# Altium PCB Hrafn.PcbDoc (part 3 of 5) (continued)
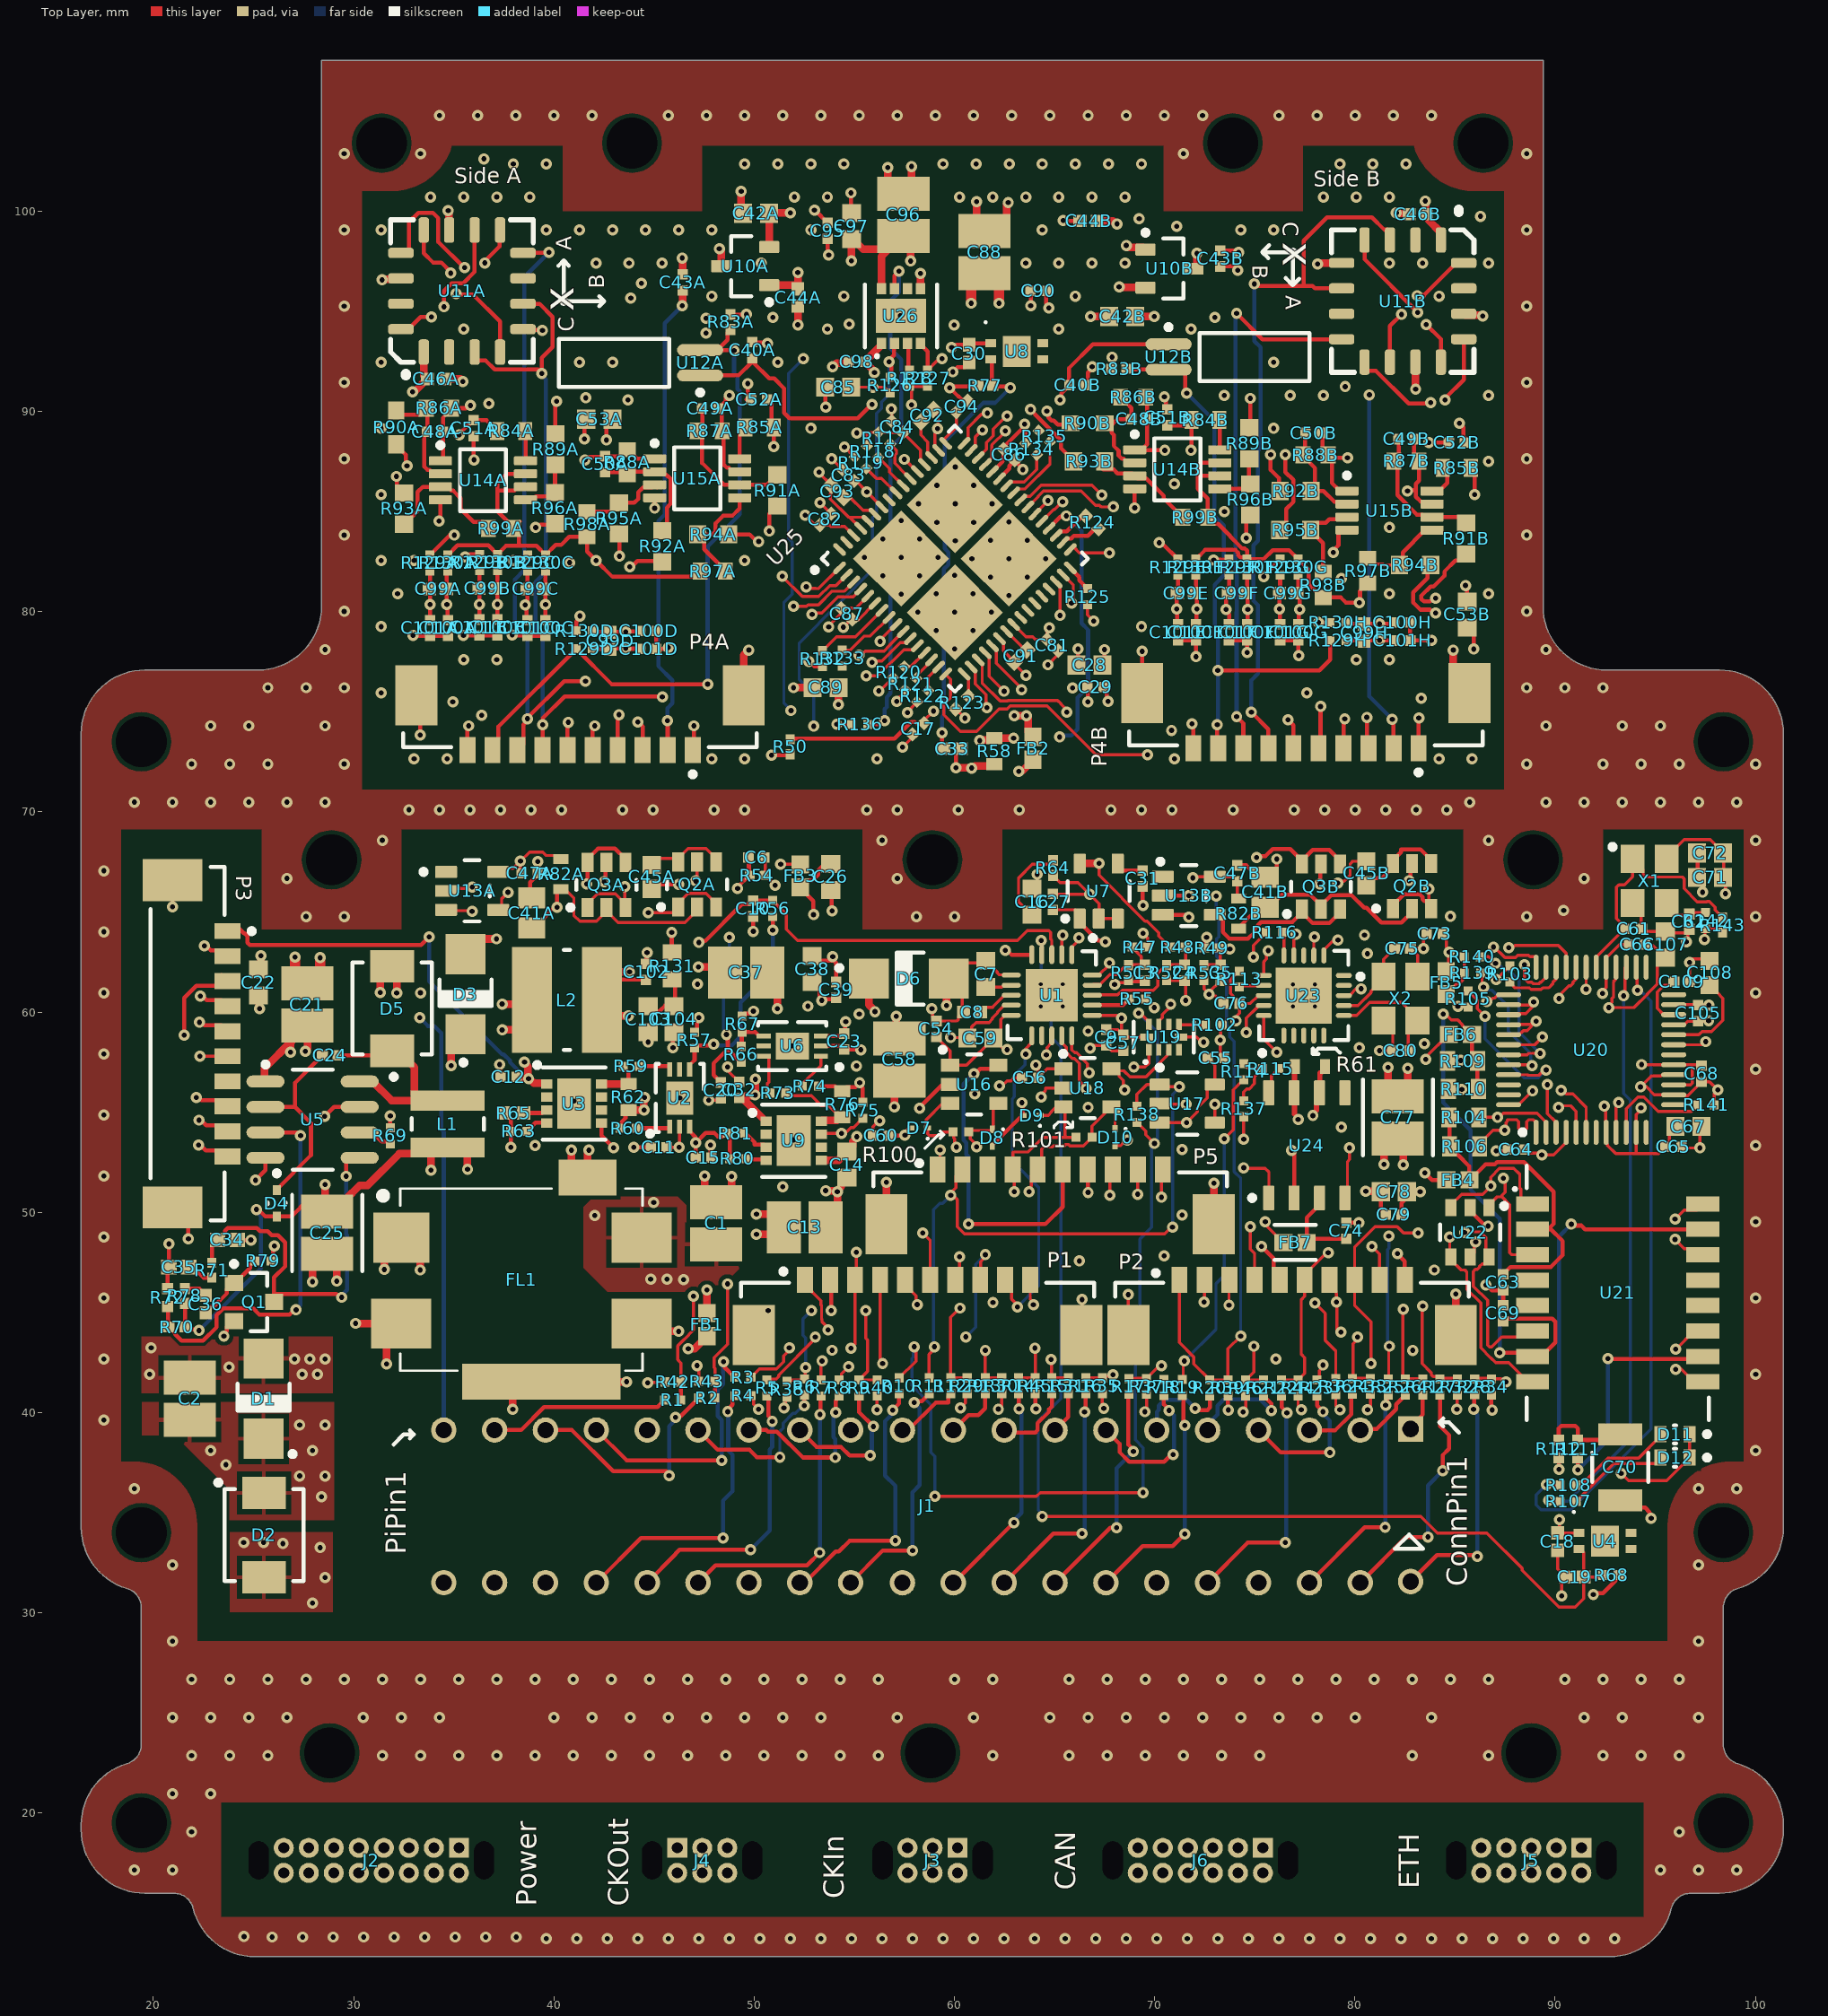
[diagram p0: Top Layer view]
## Nets (pads, with @x,y where several pads share a name; then routed paths per layer and width w, separated by ;. In a path a pad name is that pad's centre, name@x,y a point inside that pad or via, vN(x,y) a via of type N, cw(c..) or ccw(c..) an arc to the next point about the centre after c; other vN are vias at no path point) (continued)
  Bottom Layer w0.152: v1(48.616,58.877) 48.616,58.987 48.467,59.135 48.467,62.902 48.765,63.2 v1(48.765,63.735)
CUR_MON_5V: C10.2 P3.4 R56.2 U1.3 | length 49
  Top Layer w0.152: R56.2@50.925,65.575 51.615,64.885 51.615,64.135 52.174,63.576 63.144,63.576 63.633,64.065 64.717,64.065 64.807,63.975 64.807,63.642 64.862,63.586 U1.3@64.862,62.865
  Top Layer w0.203: v1(22.35,60.8) 22.446,60.8 22.657,60.59 23.407,60.59 P3.4@23.705,60.291 ; v1(47.244,63.475) 47.312,63.543 47.551,63.543 49.393,65.384 49.799,65.384 49.958,65.543 49.958,65.563 49.964,65.569 50.919,65.569 R56.2@50.925,65.575
  Internal Top w0.203: v1(22.35,60.8) 25.543,60.8 25.951,60.392 36.687,60.392 39.769,63.475 v1(47.244,63.475)
D3V3: C9.1 C11.2 C23.1 C37.1 C38.2 C39.2 C47A.2 C47B.2 C54.2 C55.2 C56.2 C57.1 C58.1 C59.2 C60.2 C71.2 C72.2 C73.2 C76.2 C77.1 C78.2 C79.2 D6.1 FB4.2 FB5.2 FB6.2 FB7.1 P3.6 P5.1 R29.2 R30.2 R32.2 R33.2 R35.2 R36.2 R37.2 R38.2 R40.2 R42.2 R43.2 R44.2 R46.2 R47.2 R55.2 R74.1 R75.2 R76.2 R82A.2 R82B.2 R113.1 U1.10 U1.16 U2.2 U6.2 U13A.5 U13B.5 U16.1 U17.3 U17.5 U18.1 U19.10 U22.5 U23.18 | length 74.5
  Top Layer w0.152: v1(22.32,57.791) P3.6@23.705,57.791 ; U13A.5@37.216,67.001 37.395,67.179 37.969,67.179 v1(38.329,67.539) ; C47A.2@38.392,66.929 38.329,66.993 v1(38.329,67.539) ; R82A.2@40.352,67.645 40.178,67.818 39.611,67.818 39.434,67.996 38.786,67.996 v1(38.329,67.539) ; v1(44.679,41.478) 44.703,41.503 45.513,41.503 R42.2@45.537,41.527 ; C11.2@45.637,53.238 v1(46.253,53.238) 46.266,53.251 46.266,54.26 U2.2@46.279,54.272 ; v1(47.142,42.342) 47.237,42.247 R43.2@47.237,41.552 ; v1(51.486,40.234) 51.564,40.311 51.564,40.664 R38.2@51.65,40.75 ; C60.2@55.927,53.827 55.927,54.276 56.21,54.559 v1(56.261,54.559) ; v1(56.134,40.132) 56.137,40.135 R40.2@56.137,40.827 ; C54.2@59.1,58.75 59.785,58.065 U16.1@59.785,57.338 60.604,57.338 C59.2@61.94,58.674 ; P5.1@59.157,52.146 59.284,52.273 v1(59.284,53.111) ; v1(60.3,40.234) 60.539,40.473 60.539,40.829 R29.2@60.637,40.927 ; v1(62.195,40.168) 62.241,40.168 62.362,40.29 R30.2@62.362,40.927 ; v1(62.636,58.12) 62.559,58.198 62.417,58.198 C59.2@61.94,58.674 ; U1.10@62.837,59.84 62.514,59.84 62.314,59.64 62.314,59.073 C59.2@61.94,58.699 C59.2@61.94,58.674 ; v1(64.059,57.353) 64.179,57.233 C56.2@64.179,56.718 64.621,57.16 U18.1@65.45,57.16 ; U1.16@66.887,59.84 68.091,59.84 68.241,59.69 v1(68.351,59.69) C57.1@68.351,58.947 ; R35.2@67.388,40.927 67.388,40.275 v1(67.461,40.203) ; C9.1@67.589,59.125 68.174,59.125 C57.1@68.351,58.947 ; v1(69.418,63.932) 69.641,63.709 R47.2@69.641,63.246 ; v1(69.516,40.036) 69.525,40.036 69.596,40.107 R37.2@69.596,40.9 ; R55.2@69.539,60.655 v1(69.973,60.221) ; U19.10@69.6,58.75 68.548,58.75 C57.1@68.428,58.871 C57.1@68.351,58.947 ; U17.3@70.252,54.477 v1(71.597,54.477) 72.126,55.007 72.126,55.209 72.629,55.712 72.629,56.153 72.853,56.377 U17.5@73.002,56.377 73.002,57.357 C55.2@72.65,57.709 ; v1(71.907,66.7) 71.968,66.761 U13B.5@73.004,66.761 73.885,66.761 C47B.2@74.117,66.529 74.117,65.749 R82B.2@74.193,65.672 ; v1(74.066,59.563) 74.066,59.768 74.237,59.938 C76.2@74.237,60.427 ; R113.1@74.219,62.046 73.797,61.624 73.791,61.624 73.791,60.937 73.9,60.827 73.9,60.764 C76.2@74.237,60.427 ; v1(74.422,40.03) 74.549,40.157 R46.2@74.549,40.818 ; U23.18@75.447,60.827 75.172,60.827 74.772,60.427 C76.2@74.237,60.427 ; v1(75.524,49.53) 75.448,49.454 76.413,48.489 FB7.1@76.437,48.489 ; R44.2@77.162,40.827 77.162,40.22 77.252,40.131 v1(77.322,40.131) ; R36.2@79.045,40.894 79.045,40.335 v1(79.248,40.132) ; v1(80.633,40.144) 80.657,40.144 80.772,40.259 R33.2@80.772,40.9 ; v1(83.541,57.633) 83.541,57.75 84.668,58.877 FB6.2@84.692,58.877 ; C73.2@84.384,63.913 84.568,63.73 84.568,63.243 84.709,63.102 v1(84.709,62.992) ; v1(85.09,40.157) 85.103,40.17 85.103,40.862 R32.2@85.115,40.875 ; U22.5@85.75,47.772 85.954,47.975 85.954,48.438 86.028,48.512 v1(86.032,48.512)
  Top Layer w0.203: C38.2@52.9,61.5 52.925,61.5 53.273,61.152 53.273,60.676 v1(53.371,60.579) 53.431,60.639 54.04,60.639 C39.2@54.1,60.7 ; R74.1@53.205,56.301 54.055,56.301 54.305,56.051 R76.2@54.405,56.051 54.603,56.249 55.055,56.249 v1(55.27,56.464) 55.27,56.368 55.423,56.216 R75.2@55.423,55.493 ; U6.2@53.335,58.301 54.331,58.301 C23.1@54.506,58.126 55.311,58.126 v1(55.321,58.115) ; C78.2@81.297,51.027 81.297,50.119 C79.2@81.534,49.882 ; v1(83.49,51.968) 83.845,51.613 FB4.2@84.565,51.613 ; FB5.2@84.557,62.044 84.709,62.196 v1(84.709,62.992) ; C72.2@97.089,67.945 97.115,67.92 97.115,66.751 C71.2@97.089,66.726 97.438,66.377 97.383,66.377 97.358,66.352 v1(97.358,65.986)
  Top Layer w0.381: C37.1@50.651,61.975 51.156,61.47 v1(51.156,60.173) ; D6.1@55.725,61.675 55.725,60.37 56.032,60.063 v1(56.032,60.02) ; v1(57.099,59.792) 57.099,58.836 C58.1@57.252,58.683 ; v1(80.543,51.054) 80.557,51.04 81.284,51.04 C78.2@81.297,51.027 ; v1(81.458,52.4) 81.458,53.025 81.535,53.102 81.559,53.102 C77.1@82.144,53.686 82.423,53.407 v1(82.423,52.375)
D5V: C13.1 C14.2 C15.2 C16.2 C18.2 C21.1 C22.2 D3.1 FB1.1 FB2.2 FB3.1 P3.2 R49.2 R60.1 R62.2 U4.1 U5.1 | length 23.2
  Top Layer w0.152: v1(51.326,67.376) FB3.1@52.3,67.376 ; C16.2@63.881,66.157 64.135,66.411 v1(64.135,66.878) ; R49.2@72.472,63.195 72.472,63.608 v1(72.593,63.729) ; v1(90.221,34.646) 90.221,34.095 C18.2@90.119,33.993 90.132,33.981 U4.1@91.186,33.981
  Top Layer w0.203: v1(22.55,63.3) 22.646,63.3 22.857,63.09 23.407,63.09 P3.2@23.705,62.791 ; R60.1@43.255,54.197 43.378,54.32 43.378,54.503 43.575,54.7 43.575,54.941 R62.2@43.73,55.096 ; v1@47.819,53.431 47.819,52.774 C15.2@47.863,52.73
  Top Layer w0.381: C22.2@25.25,62.225 25.336,62.225 25.365,62.254 25.365,62.804 v1(25.375,62.814) ; U5.1@25.958,56.53 25.857,56.631 25.539,56.631 25.539,57.178 26.936,58.576 26.936,58.664 27.597,59.325 C21.1@27.686,59.325 ; v1(26.848,57.988) C21.1@26.848,58.664 ; C21.1@27.533,59.325 27.699,59.16 27.699,58.201 27.584,58.087 v1(27.584,58.039) ; v1(34.875,57.325) 34.875,58.185 D3.1@35.581,58.892 ; R62.2@43.73,55.096 43.732,55.098 44.548,55.098 v1@44.562,55.112 ; v1@44.486,55.112 v1@44.486,55.622 ; v1@44.501,55.732 44.501,55.684 v1@44.562,55.622 ; FB1.1@47.641,44.968 v1(47.641,46.117) ; v1(53.569,51.079) 53.585,51.063 54.119,51.063 v1(54.153,51.029) ; C13.1@53.578,49.251 54.153,49.826 v1(54.153,51.029) ; C14.2@54.635,51.725 54.61,51.725 54.351,51.465 54.351,51.275 54.153,51.077 v1(54.153,51.029) ; v1(63.212,72.026) 63.246,72.06 63.41,72.06 63.925,72.575 FB2.2@63.925,72.599
  other v1: 47.819,53.355 44.499,55.1 44.526,55.732
DGND: C1.2 C3.1 C4.1 C5.1 C6.1 C7.1 C8.2 C9.2 C10.1 C11.1 C12.1 C13.2 C14.1 C15.1 C18.1 C19.1 C20.1 C21.2 C22.1 C23.2 C25.2 C26.1 C27.1 C31.1 C32.2 C33.1 C34.1 C35.1 C37.2 C38.1 C39.1 C41A.1 C41B.1 C47A.1 C47B.1 C54.1 C55.1 C56.1 C57.2 C58.2 C59.1 C60.1 C61.1 C62.2 C63.1 C64.1 C65.1 C66.2 C67.2 C68.1 C69.1 C71.1 C72.1 C73.1 C74.1 C75.1 C76.1 C77.2 C78.1 C79.1 C80.1 C102.1 C105.1 C107.2 C108.2 C109.1 D3.2 D5.2 D6.2 D7.2 D8.2 D9.2 D10.2 D11.1 D12.1 FL1.4 FL1.5 FL1.6 J1.6 J1.9 J1.14 J1.20 J1.25 J1.30 J1.34 J1.39 P1.10 P1.MP1 P1.MP2 P2.10 P2.MP1 P2.MP2 P3.9 P3.10 P3.MP1 P3.MP2 P5.10 P5.MP1 P5.MP2 Q1.2 Q2A.5 Q2B.5 Q3A.5 Q3B.5 R31.1 R34.1 R39.1 R41.1 R45.1 R51.1 R52.1 R53.1 R54.1 R57.2 R58.2 R63.1 R64.1 R65.1 R67.2 R68.1 R69.1 R72.1 R79.1 R80.1 R81.1 R102.1 R131.1 R137.1 R141.1 U1.6 U1.9 U1.21 U2.0 U2.3 U3.5 U3.9 U5.4 U6.0 U6.3 U7.2 U7.3 U9.5 U9.9 U13A.3 U13B.3 U16.2 U17.2 U18.2 U19.5 U20.3 U20.9 U20.14 U20.16 U20.19 U20.23 U20.29 U20.38 U20.39 U20.40 U20.41 U20.42 U20.48 U22.2 U23.8 U23.21 U24.2 X1.2 X1.4 X2.2 X2.4 | length 221.4
  Top Layer w0.152: U13A.3@34.474,65.067 34.479,65.062 35.877,65.062 v1(35.915,65.024) ; v1(47.077,66.545) 47.151,66.619 Q2A.5@47.151,67.496 ; v1(47.727,55.601) 48.244,55.601 C20.1@48.336,55.693 ; v1(48.67,57.25) 48.748,57.172 48.748,57.011 C32.2@49.251,56.509 ; C6.1@50.504,67.716 50.55,67.671 50.55,66.825 v1(51.05,66.325) ; v1(58.877,60.173) 58.916,60.134 58.916,59.734 C54.1@59.1,59.55 60.111,59.55 60.2,59.639 60.2,59.761 60.434,59.995 C8.2@60.454,59.995 60.395,60.054 60.395,61.005 D6.2@59.725,61.675 ; D6.2@59.614,61.564 D6.2@59.725,61.675 ; v1(59.817,58.725) 60.615,58.725 C59.1@60.64,58.699 60.862,58.921 60.862,59.261 61.082,59.482 61.728,59.482 61.89,59.644 61.89,59.707 62.159,59.976 62.159,60.012 62.487,60.34 U1.9@62.837,60.34 ; v1(62.255,56.312) 62.365,56.312 62.623,56.569 62.824,56.569 62.973,56.718 C56.1@63.399,56.718 ; U1.6@62.837,61.84 62.819,61.859 62.241,61.859 62.134,61.966 62.134,62.011 61.595,62.55 C7.1@61.57,62.55 61.47,62.45 60.5,62.45 D6.2@59.725,61.675 ; P1.10@63.787,46.627 63.787,45.645 63.945,45.487 v1(63.945,45.377) ; v1(64.332,55.753) 64.332,55.863 64.546,56.078 64.546,56.21 U18.2@65.275,56.21 ; C27.1@64.925,65.9 64.935,65.89 v1(66.754,65.89) ; R64.1@64.925,66.825 64.925,66.8 65.099,66.626 65.124,66.626 65.278,66.472 66.172,66.472 v1(66.754,65.89) ; P1.MP2@66.337,43.877 66.37,43.91 v1(66.37,45.639) ; v1(66.777,58.191) 66.91,58.325 C9.2@67.589,58.325 67.843,58.071 C57.2@68.428,58.071 ; v1(67.999,61.385) 68.077,61.463 68.642,61.463 68.691,61.512 69.45,61.512 C3.1@69.517,61.579 ; D10.2@68.021,53.326 68.303,53.326 68.509,53.533 v1@68.58,53.533 ; U7.3@68.158,64.665 U7.2@67.208,64.665 67.227,64.684 67.227,65.416 v1(66.754,65.89) ; P2.MP1@68.687,43.877 v1(68.687,45.887) ; 69.031,61.569 C3.1@69.45,61.569 ; U17.2@70.252,55.427 70.279,55.4 v1(71.575,55.4) ; v1(70.333,50.749) 70.333,52.072 P5.10@70.407,52.146 ; R52.1@70.591,61.569 71.481,61.569 71.491,61.579 71.552,61.518 v1(71.552,60.579) ; U19.5@71.32,58.75 72.077,58.75 72.331,58.496 v1(72.441,58.496) 72.516,58.571 v1@72.635,58.571 ; R53.1@72.466,61.569 72.466,61.16 v1@72.72,60.905 ; R53.1@72.466,61.594 R53.1@72.466,61.619 ; v1@72.614,58.433 v1@72.614,58.55 ; v1(73.279,58.598) 73.279,57.86 C55.1@73.43,57.709 ; C5.1@73.291,61.579 73.291,61.559 72.72,60.988 v1@72.72,60.905 ; v1@73.304,58.598 73.304,59.24 R102.1@73.424,59.36 ; C76.1@73.457,60.427 C76.1@73.437,60.427 73.059,60.805 72.798,60.805 v1(72.72,60.883) v1@72.72,60.905 ; v1(74.447,53.645) R137.1@74.447,54.769 ; U23.8@79.447,60.827 79.722,60.827 80.109,61.214 v1@80.315,61.214 ; v1(81.233,58.073) C80.1@81.888,58.073 81.888,59.113 X2.2@81.428,59.573 ; X2.4@83.128,61.773 83.128,62.833 82.788,63.173 v1(83.423,63.173) 83.423,63.752 C73.1@83.584,63.913 ; v1(87.053,53.068) 87.568,53.068 C64.1@87.636,53.137 ; U20.48@87.616,55.365 88.182,55.365 v1(88.875,56.058) ; U20.42@87.616,58.365 88.972,58.365 v1(89.357,58.75) ; U20.41@87.616,58.865 88.197,58.865 88.411,59.079 88.594,59.079 v1(89.052,59.538) 88.942,59.538 88.789,59.384 87.634,59.384 U20.40@87.616,59.365 ; U20.39@87.616,59.865 87.679,59.929 88.529,59.929 88.925,60.325 v1@88.905,60.345 ; U20.38@87.676,60.345 v1@88.905,60.345 ; v1(88.925,60.503) 88.905,60.483 v1@88.905,60.345 ; v1(89.611,56.372) 89.611,54.925 90.046,54.49 U20.3@90.046,53.99 ; C18.1@90.119,33.113 90.119,32.179 90.523,31.775 C19.1@90.543,31.775 90.322,31.555 v1(90.322,30.836) ; v1(92.371,60.932) 92.371,61.042 92.546,61.217 U20.29@92.546,62.295 ; U20.29@92.546,62.24 92.546,62.714 92.644,62.812 92.653,62.812 93.214,63.373 C66.2@93.682,63.373 ; U20.9@93.046,53.935 93.046,55.236 93.175,55.366 v1(93.175,55.476) ; v1(93.294,36.957) 93.301,36.957 93.657,36.601 95.569,36.601 96.388,37.421 96.488,37.421 96.712,37.644 D12.1@96.712,37.744 D12.1@96.712,37.844 ; X1.2@93.867,65.448 93.867,65.348 94.293,64.921 94.293,64.186 C61.1@94.319,64.16 ; C61.1@94.299,64.16 C61.1@94.319,64.16 ; X1.4@95.567,67.648 95.567,67.748 96.442,68.623 97.736,68.623 98.389,67.97 C72.1@98.389,67.945 98.415,67.92 98.415,66.751 C71.1@98.389,66.726 98.501,66.614 v1(98.501,65.913) ; U20.16@95.921,56.865 95.336,56.865 95.272,56.801 94.8,56.801 v1(94.259,56.261) 94.555,56.261 94.951,55.865 U20.14@95.976,55.865 ; U20.23@95.921,60.365 97.108,60.365 C105.1@97.13,60.344 v1(97.682,60.344) ; U20.19@95.976,58.365 97.354,58.365 v1(97.511,58.522) ; U20.14@96.266,55.829 96.615,55.829 C68.1@97.307,56.521 97.707,56.521 v1(98.12,56.109) 97.936,55.924 R141.1@97.936,55.372 ; C65.1@96.31,53.264 96.361,53.213 v1(97.231,53.213) 97.231,54.214 C67.2@97.297,54.28 ; v1(96.545,63.5) 96.614,63.569 96.614,64.022 C62.2@96.698,64.106 ; C62.2@96.698,64.126 C62.2@96.698,64.106 ; C109.1@96.707,61.519 96.715,61.527 v1(96.715,62.475) ; D11.1@96.712,38.913 D12.1@96.712,37.844 ; v1@96.723,62.475 96.723,62.662 97.603,62.662 C108.2@97.714,62.551 ; D12.1@96.935,38.068 D12.1@96.712,37.844 ; C61.1@94.319,64.16 94.457,64.023 C107.2@95.504,64.023 95.579,63.948 96.54,63.948 C62.2@96.698,64.106
  Top Layer w0.203: R72.1@20.706,46.191 20.706,47.196 C35.1@20.775,47.265 v1(20.775,48.419) ; v1@20.95,65.4 20.955,65.405 P3.MP1@20.955,66.591 ; P3.MP2@20.955,50.241 21.75,49.447 v1(21.75,48.669) ; v1(22.25,53.35) 22.346,53.35 22.607,53.09 23.407,53.09 P3.10@23.705,52.791 ; v1(22.275,54.6) 22.371,54.6 22.632,54.34 23.407,54.34 P3.9@23.705,54.041 ; v1(23.52,43.815) 23.52,43.911 23.676,44.067 23.676,44.27 23.975,44.569 Q1.2@24.025,44.569 ; C34.1@24.19,48.619 24.193,48.616 v1(24.867,48.616) ; v1(25.1,51.6) 25.6,52.1 U5.4@25.6,52.72 ; R79.1@25.9,47.569 25.969,47.638 25.969,48.245 v1(26.037,48.313) ; R69.1@31.83,54.22 v1(31.831,54.818) ; v1(37.287,57.379) 37.316,57.349 37.316,56.791 C12.1@37.346,56.762 ; R65.1@37.54,54.959 37.844,54.655 R63.1@37.844,54.044 v1(37.844,53.25) ; C41A.1@38.887,65.698 38.811,65.774 38.811,66.477 39.034,66.699 39.034,66.771 C47A.1@39.192,66.929 v1(39.192,67.513) ; U3.5@42.379,54.454 42.379,53.821 v1(42.975,53.225) ; v1(42.514,66.507) 42.57,66.563 42.57,67.376 42.552,67.395 Q3A.5@42.627,67.47 ; v1(43.993,53.238) C11.1@44.847,53.238 ; C102.1@44.6,62.395 44.627,62.422 44.627,62.94 v1(44.653,62.967) ; v1(45.883,63.983) 45.883,63.068 R131.1@45.898,63.053 ; U2.3@46.779,54.272 46.779,54.047 47.083,53.743 v1(47.083,53.475) ; R57.2@47.025,59 47.148,59.123 47.148,59.524 47.244,59.619 v1(47.244,59.715) ; C15.1@47.083,52.73 v1(47.083,53.475) ; R80.1@48.774,52.68 48.774,53.746 48.571,53.95 48.414,53.793 48.176,53.793 48.011,53.958 47.575,53.958 47.093,53.475 v1(47.083,53.475) ; R67.2@49.405,59.801 49.528,59.924 49.744,59.924 49.866,60.046 v1(49.962,60.046) ; v1(49.958,64.033) C10.1@49.958,64.783 ; P1.MP1@49.987,43.877 49.987,44.374 v1(50.698,45.085) ; C38.1@53.1,62.9 53.223,62.777 53.223,62.677 53.34,62.56 53.721,62.56 v1(53.924,62.763) ; U6.3@53.335,58.801 54.381,58.801 54.631,59.051 54.574,59.051 54.54,59.084 54.54,59.478 v1(54.575,59.512) ; 53.721,62.568 53.981,62.568 54.1,62.448 C39.1@54.1,61.49 ; C26.1@53.823,66.001 53.873,65.95 53.873,65.068 v1(53.889,65.052) ; C60.1@56.748,53.825 57.508,53.825 v1(57.531,53.848) ; v1@57.448,53.885 57.767,54.204 D7.2@57.822,54.204 ; v1(58.268,55.194) 58.268,55.245 59.41,56.388 U16.2@59.61,56.388 ; v1(60.075,72.2) 60.075,72.885 60.102,72.912 60.102,72.932 60.32,73.15 C33.1@60.34,73.15 ; D8.2@61.9,53.301 61.9,53.356 63.357,54.813 63.357,54.815 D9.2@63.404,54.862 ; v1(63.373,55.474) 63.404,55.442 D9.2@63.404,54.862 ; R45.1@64.037,40.927 64.037,40.213 v1(64.075,40.175) ; J1.25@65.025,39.115 65.025,39.118 65.688,39.781 R31.1@65.688,40.927 ; C31.1@69.393,66.275 69.406,66.262 69.406,65.341 v1(69.418,65.329) ; U13B.3@70.429,64.861 71.494,64.861 71.611,64.745 v1(71.707,64.745) ; R39.1@73.658,40.827 73.658,40.142 v1(73.675,40.125) ; C47B.1@74.117,67.329 74.574,67.329 74.867,67.036 75.218,67.036 C41B.1@75.514,66.739 75.675,66.739 76.098,67.163 v1(76.098,67.64) ; v1(76.835,53.086) 76.977,52.944 76.977,50.73 U24.2@76.962,50.715 ; v1(78.243,66.395) 78.274,66.426 78.274,67.361 Q3B.5@78.305,67.392 ; C74.1@79.578,49.473 80.181,49.473 v1(80.188,49.479) ; v1(82.118,47.93) 82.487,47.561 P2.10@82.487,46.627 ; C79.1@82.324,49.882 82.324,50.454 82.697,50.827 82.697,51.027 v1@83.31,51.027 ; v1(82.703,66.565) 82.771,66.633 82.771,67.335 Q2B.5@82.855,67.419 ; J1.39@82.782,39.175 82.782,39.293 83.388,39.899 R41.1@83.388,40.875 ; U22.2@85.75,50.222 85.75,50.077 86.448,49.379 86.581,49.379 v1(86.649,49.311) ; v1(86.542,46.359) 86.585,46.359 86.837,46.107 C63.1@87.401,46.107 C69.1@87.401,45.358 ; R34.1@86.817,40.875 86.817,40.158 v1(86.85,40.125) ; v1(91.905,30.912) 91.973,30.98 92.388,30.98 93.013,31.605 93.013,31.729 93.162,31.877 R68.1@93.187,31.877
  Top Layer w0.381: v1(25.299,60.172) 25.274,60.197 25.274,60.693 C22.1@25.306,60.725 ; v1(27.94,46.533) 27.94,47.26 28.601,47.921 C25.2@28.677,47.921 29.159,47.438 v1(29.159,46.558) ; v1(31.325,60.975) 31.325,61.685 D5.2@31.925,62.285 32.15,62.06 v1(32.15,60.95) ; D3.2@35.45,63.023 D3.2@35.581,62.892 36.342,63.652 v1(37.135,63.652) ; v1(37.948,40.157) 37.951,40.16 37.951,40.825 38.66,41.534 v1(43.632,41.534) ; v1(40.875,53.1) 40.875,52.444 41.585,51.734 FL1.4@41.679,51.734 41.679,53.029 v1(41.75,53.1) ; FL1.5@44.379,44.434 44.764,44.05 v1(46.223,44.05) ; v1(47.219,62.255) 47.888,62.255 47.925,62.219 C37.2@47.925,61.975 ; v1(47.523,51.816) 47.523,51.165 48.321,50.368 48.87,50.917 v1(48.87,51.791) ; v1(50.114,48.895) 51.121,48.895 C13.2@51.477,49.251 50.816,49.911 v1@50.196,49.911 ; v1(51.961,53.613) 51.975,53.613 U9.9@51.975,53.576 ; U9.5@53.345,52.601 54.237,52.601 54.237,52.651 54.61,53.025 54.66,53.025 54.92,53.284 54.92,53.528 55.118,53.726 v1(55.118,53.774) ; P5.MP1@56.607,49.396 v1(56.607,51.501) ; v1(56.998,55.27) 56.998,56.328 C58.2@57.252,56.582 ; v1(59.614,60.325) D6.2@59.614,61.564 ; v1(60.075,72.2) 60.081,72.194 60.856,72.194 v1(60.863,72.188) 60.924,72.188 61.028,72.292 61.917,72.292 R58.2@62,72.375 ; P5.MP2@72.957,49.396 v1(72.957,51.453) ; v1(81.661,57.226) 81.661,56.27 C77.2@82.144,55.788 82.646,56.29 v1(82.646,57.182) ; P2.MP2@85.037,43.877 v1(85.037,45.921)
  Top Layer w0.508: v1(27.076,62.738) 27.076,62.024 27.674,61.426 27.724,61.426 28.321,62.024 v1(28.321,62.713)
  other v1: 39.624,13.716 41.148,13.716 42.672,13.716 44.196,13.716 45.72,13.716 47.244,13.716 48.768,13.716 50.292,13.716 51.816,13.716 53.34,13.716 54.864,13.716 56.388,13.716 57.912,13.716 59.436,13.716 60.96,13.716 62.484,13.716 64.008,13.716 65.532,13.716 67.056,13.716 68.58,13.716 70.104,13.716 71.628,13.716 73.152,13.716 74.676,13.716 76.2,13.716 77.724,13.716 79.248,13.716 80.772,13.716 82.296,13.716 83.82,13.716 85.344,13.716 86.868,13.716 88.392,13.716 89.916,13.716 91.44,13.716 92.964,13.716 25.924,13.798 27.448,13.798 28.972,13.798 30.496,13.798 32.02,13.798 33.544,13.798 35.068,13.798 36.592,13.798 38.116,13.798 24.527,13.823 19.05,17.145 20.955,17.145 95.25,17.145 97.155,17.145 99.06,17.145 21.907,19.05 96.203,19.05 20.955,20.955 22.86,20.955 21.907,22.86 23.812,22.86 25.717,22.86 31.432,22.86 33.337,22.86 35.242,22.86 37.148,22.86 39.052,22.86 40.957,22.86 42.862,22.86 44.767,22.86 46.672,22.86 48.578,22.86 50.482,22.86 52.387,22.86 54.292,22.86 56.197,22.86 61.912,22.86 65.722,22.86 67.627,22.86 69.532,22.86 71.438,22.86 73.343,22.86 75.248,22.86 82.867,22.86 86.677,22.86 92.392,22.86 94.297,22.86 96.203,22.86 20.955,24.765 22.86,24.765 24.765,24.765 26.67,24.765 30.48,24.765 32.385,24.765 34.29,24.765 40.005,24.765 41.91,24.765 43.815,24.765 45.72,24.765 47.625,24.765 49.53,24.765 51.435,24.765 53.34,24.765 57.15,24.765 60.96,24.765 64.77,24.765 66.675,24.765 68.58,24.765 70.485,24.765 72.39,24.765 74.295,24.765 76.2,24.765 78.105,24.765 80.01,24.765 83.82,24.765 91.44,24.765 93.345,24.765 97.155,24.765 21.907,26.67 23.812,26.67 25.717,26.67 27.622,26.67 29.527,26.67 31.432,26.67 33.337,26.67 35.242,26.67 37.148,26.67 39.052,26.67 40.957,26.67 42.862,26.67 44.767,26.67 46.672,26.67 48.578,26.67 50.482,26.67 52.387,26.67 54.292,26.67 56.197,26.67 60.008,26.67 61.912,26.67 65.722,26.67 67.627,26.67 69.532,26.67 71.438,26.67 73.343,26.67 75.248,26.67 77.153,26.67 79.057,26.67 80.962,26.67 82.867,26.67 84.772,26.67 86.677,26.67 90.487,26.67 92.392,26.67 94.297,26.67 96.203,26.67 20.955,28.575 97.155,28.575 20.955,32.385 97.155,32.385 19.05,36.195 97.155,36.195 99.06,36.195 100.013,38.1 17.526,39.624 100.013,41.91 17.526,42.672 17.526,45.72 100.013,45.72 17.526,48.768 100.013,49.53 50.114,49.911 83.26,51.027 17.526,51.816 39.052,53.34 100.013,53.34 68.631,53.594 17.526,54.864 66.675,55.245 41,55.55 100.013,57.15 17.526,57.912 66.675,59.055 17.526,60.96 33.337,60.96 100.013,60.96 80.315,61.163 17.526,64.008 27.622,64.77 29.527,64.77 58.102,64.77 60.008,64.77 84.772,64.776 88.582,64.77 100.013,64.77 90.424,65.075 20.955,65.253 26.67,66.675 57.15,66.675 91.44,66.675 17.526,67.056 31.432,68.58 56.388,68.58 86.677,68.58 100.013,68.58 32.766,70.104 34.29,70.104 35.814,70.104 37.338,70.104 38.862,70.104 40.386,70.104 43.434,70.104 44.958,70.104 48.006,70.104 49.53,70.104 55.626,70.104 57.15,70.104 60.198,70.104 63.246,70.104 67.818,70.104 69.342,70.104 70.866,70.104 73.914,70.104 76.962,70.104 78.486,70.104 80.01,70.104 81.534,70.104 83.058,70.104 84.582,70.104 19.05,70.485 20.955,70.485 22.86,70.485 24.765,70.485 26.67,70.485 28.575,70.485 85.725,70.485 89.535,70.485 91.44,70.485 93.345,70.485 95.25,70.485 97.155,70.485 99.06,70.485 21.907,72.39 23.812,72.39 25.717,72.39 29.527,72.39 88.582,72.39 92.392,72.39 94.297,72.39 96.203,72.39 100.013,72.39 22.86,74.295 24.765,74.295 28.575,74.295 89.535,74.295 93.345,74.295 95.25,74.295 25.717,76.2 27.622,76.2 29.527,76.2 88.582,76.2 90.487,76.2 92.392,76.2 28.575,78.105 89.535,78.105 29.527,80.01 88.582,80.01 29.527,83.82 88.582,83.82 29.527,87.63 88.582,87.63 29.527,91.44 88.582,91.44 29.527,95.25 88.582,95.25 29.527,99.06 88.582,99.06 29.527,102.87 33.337,102.87 71.438,102.87 88.582,102.87 34.29,104.775 36.195,104.775 38.1,104.775 40.005,104.775 41.91,104.775 45.72,104.775 47.625,104.775 49.53,104.775 51.435,104.775 53.34,104.775 55.245,104.775 57.15,104.775 59.055,104.775 60.96,104.775 62.865,104.775 64.77,104.775 66.675,104.775 68.58,104.775 70.485,104.775 72.39,104.775 76.2,104.775 78.105,104.775 80.01,104.775 81.915,104.775 83.82,104.775
  other v3: 76.897,60.277 77.997,60.277 64.312,60.29 65.412,60.29 76.897,61.377 77.997,61.377 64.312,61.39 65.412,61.39
  other v4: 46.287,55.702 51.905,58.309
ETH_3V3: C64.2 C65.2 C66.1 C67.1 C68.2 C105.2 C107.1 FB5.1 R105.1 R139.1 R140.1 U20.4 U20.8 U20.11 U20.15 U20.17 U20.21 U20.28 | length 29.9
  Top Layer w0.152: FB5.1@84.557,60.892 84.557,60.916 85.029,61.388 85.156,61.388 85.181,61.413 85.222,61.413 85.379,61.57 85.379,61.853 85.49,61.963 85.465,61.989 85.465,62.751 R140.1@85.452,62.763 ; v1(85.141,60.274) 85.15,60.265 85.639,60.265 R105.1@85.649,60.255 ; C64.2@88.436,53.137 88.62,52.953 89.126,52.953 89.222,52.857 v1(89.332,52.857) 89.335,52.861 89.916,52.861 90.546,53.49 U20.4@90.546,53.99 ; v1(92.461,55.297) 92.527,55.231 92.527,53.482 92.609,53.4 92.609,53.339 93.026,52.922 94.046,52.922 ; v1(92.685,60.223) 93.936,60.223 94.599,60.887 94.599,60.903 95.105,61.409 95.105,62.349 95.479,62.723 94.89,63.312 94.542,63.312 C66.1@94.482,63.373 C66.1@94.298,63.557 ; 92.837,60.472 92.837,60.68 92.914,60.757 92.914,61.524 93.007,61.617 93.007,62.257 U20.28@93.046,62.295 ; v1(94.283,55.221) 94.283,55.111 94.046,54.874 U20.11@94.046,53.99 94.046,52.922 ; v1(94.31,57.379) 94.324,57.365 U20.17@95.921,57.365 96.755,57.365 ; C65.2@95.51,53.264 95.169,52.922 94.046,52.922 ; C65.2@95.694,53.448 95.694,53.977 C67.1@95.997,54.28 ; U20.15@95.921,56.365 96.755,56.365 96.844,56.454 96.844,57.276 96.755,57.365 ; U20.21@95.921,59.365 96.447,59.365 96.626,59.544 C105.2@97.13,59.544 97.644,59.544 v1(97.663,59.563) ; C68.2@97.307,57.321 97.264,57.365 96.755,57.365
  Top Layer w0.203: FB5.1@84.557,60.892 84.557,60.868 85.141,60.284 v1(85.141,60.274)
ETH_CSb: P2.8 R16.2 R35.1 U20.32 | length 44.6
  Top Layer w0.152: R16.2@66.562,41.727 R35.1@67.388,41.727 67.468,41.807 67.842,41.807 v1(67.92,41.885) ; v1(80.797,42.443) 80.797,44.526 79.987,45.337 P2.8@79.987,46.627 79.987,48.262 81.009,49.284 82.113,49.284 82.426,48.971 v1(83.16,48.971) ; v1(90.19,60.673) 90.221,60.704 90.221,60.847 90.686,61.312 90.77,61.312 90.889,61.431 90.889,61.498 91.046,61.655 U20.32@91.046,62.295
  Internal Top w0.152: v1(67.92,41.885) 67.996,41.808 75.916,41.808 76.958,42.85 80.391,42.85 v1(80.797,42.443) ; v1(83.464,58.416) 83.486,58.395 87.227,58.395 88.853,60.02 89.537,60.02 v1(90.19,60.673)
  Internal Bottom w0.152: v1(83.16,48.971) 83.16,50.371 82.777,50.753 82.777,52.046 82.906,52.175 82.906,54.659 83.16,54.913 83.16,57.331 83.058,57.433 83.058,57.502 82.956,57.604 82.956,57.887 83.464,58.395 v1(83.464,58.416)
ETH_INT: P2.7 R14.2 R45.2 U20.36 | length 49.8
  Top Layer w0.152: R14.2@63.212,41.727 R45.2@64.037,41.727 64.037,43.202 v1(64.024,43.215) ; P2.7@78.737,46.627 78.737,46.377 79.061,46.053 79.061,45.982 79.079,45.964 79.079,45.526 v1(79.07,45.517) 79.096,45.491 v1@79.096,44.102 ; v1(86.919,63.246) 86.973,63.246 87.491,62.728 88.016,62.728 88.128,62.84 88.663,62.84 88.744,62.759 89.001,62.759 89.046,62.714 U20.36@89.046,62.295
  Internal Top w0.152: v1(64.024,43.215) 65.107,44.298 74.495,44.298 74.774,44.018 v1(79.299,44.018) ; v1(80.478,63.845) 80.515,63.881 82.813,63.881 82.959,63.735 84.649,63.735 85.061,63.322 86.335,63.322 86.398,63.259 86.906,63.259 v1(86.919,63.246)
  Internal Bottom w0.152: v1(79.07,45.517) 79.146,45.593 79.146,48.315 78.943,48.518 78.943,51.803 78.842,51.905 78.842,54.454 79.3,54.913 79.348,54.913 79.807,55.372 79.807,57.518 79.629,57.696 79.629,61.16 79.985,61.515 79.985,63.424 80.405,63.845 v1(80.478,63.845)
ETH_RESETb: P1.1 R21.1 R46.1 U20.37 | length 56.5
  Top Layer w0.152: P1.1@52.537,46.627 52.537,46.377 53.34,45.574 53.34,45.368 53.365,45.342 53.365,44.66 53.388,44.638 53.388,44.53 53.696,44.222 v1(53.696,44.12) ; R46.1@74.549,41.618 R46.1@74.554,41.622 ; v1(74.955,43.307) 74.955,42.024 R46.1@74.554,41.622 ; R21.1@75.437,41.627 75.432,41.622 R46.1@74.554,41.622 ; v1(86.587,60.519) 86.697,60.519 86.871,60.693 86.972,60.693 87.144,60.865 U20.37@87.616,60.865
  Internal Top w0.152: v1(53.696,44.12) 53.772,44.044 59.896,44.044 60.112,44.259 61.557,44.259 63.094,42.723 64.215,42.723 64.926,43.434 69.796,43.434 69.897,43.332 72.32,43.332 72.345,43.307 v1(74.955,43.307) 78.237,43.307 78.415,43.129 80.794,43.129 81.099,42.824 81.912,42.824 82.191,43.104 v1(82.88,43.104)
  Internal Bottom w0.152: v1(82.88,43.104) 82.906,43.129 82.906,47.384 83.642,48.12 83.642,48.87 84.333,49.56 84.333,58.315 86.537,60.519 v1(86.587,60.519)
FLAGB_3V3: R8.1 R75.1 U9.7 | length 16.3
  Top Layer w0.152: U9.7@53.345,53.901 53.376,53.932 54.542,53.932 54.84,54.23 54.96,54.23 R75.1@55.423,54.693 ; R8.1@54.237,41.627 54.354,41.744 54.354,41.934 v1(54.712,42.291)
  Internal Bottom w0.152: v1(54.358,53.932) 54.358,53.851 55.499,52.71 55.499,50.089 56.109,49.479 56.109,43.561 55.512,42.965 55.385,42.965 v1(54.712,42.291)
FLAGB_MAG: R23.1 R136.1 U26.7 | length 85.6
  Top Layer w0.152: R23.1@78.112,41.627 78.233,41.749 78.233,42.081 78.41,42.257 v1(78.41,42.367)
  Top Layer w0.203: R136.1@55.677,74.371 56.241,74.371 ; U26.7@57.003,96.137 57.003,96.778 v1(57.225,97)
  Internal Top w0.203: v1(53.897,43.105) 53.932,43.071 54.204,43.071 54.204,42.081 54.781,41.504 66.125,41.504 66.278,41.351 77.394,41.351 v1(78.41,42.367)
  Internal Bottom w0.203: v1(53.897,43.105) 54.351,43.559 54.351,44.283 54.585,44.516 54.585,48.21 54.712,48.337 54.712,51.714 53.571,52.855 53.571,56.9 53.942,57.271 53.942,57.678 54.067,57.803 54.067,60.115 54.333,60.381 54.333,62.453 54.432,62.553 54.432,67.46 54.397,67.495 54.397,70.455 54.7,70.758 54.7,72.734 v1(56.515,74.549)
  Bottom Layer w0.203: v1(56.515,74.549) 56.515,75.134 56.617,75.236 56.617,75.725 56.81,75.918 56.81,81.354 56.948,81.492 56.948,82.187 56.81,82.325 56.81,83.278 56.948,83.416 56.948,84.197 56.81,84.335 56.81,88.19 57.352,88.732 57.352,92.587 56.794,93.145 56.794,95.528 57.225,95.958 v1(57.225,97)